# Allegro board RK3588S_Tablet_Demo_LP4XD200P232SD10H2_V11_20220218.brd (continued)
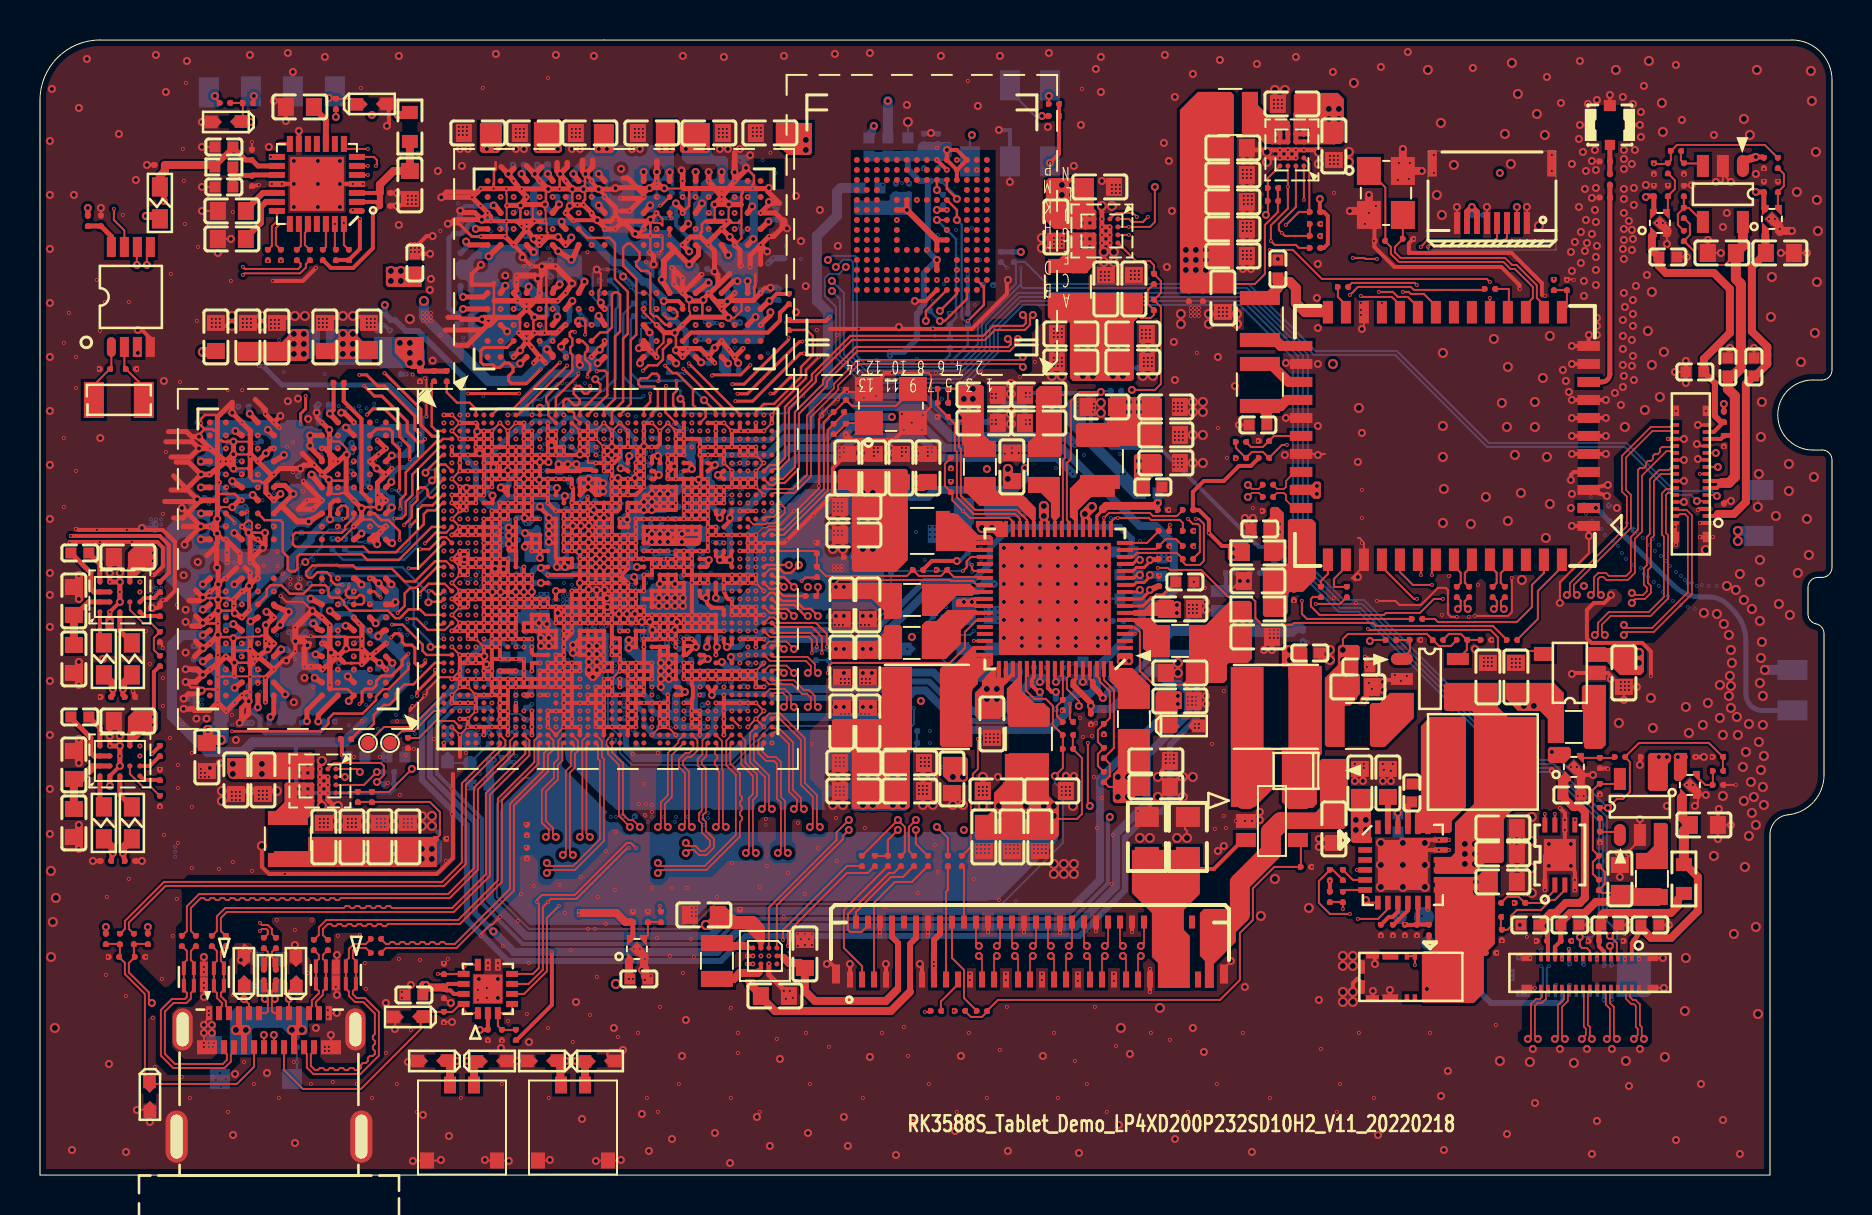
[diagram p0: board, top side]
## Routing (per net, layer and track width the routed paths; a pad name or vN(x,y) marks a point on that pad's centre or on a via; arc(x,y) is an arc through that point) (continued)
PCIE20_0_TXN: length 53.7
  TOP w0.107: v5(49.64,43) 49.49,42.85 49.49,42.5 49.24,42.25 47.74,42.25 47.24,41.75 40.6,41.75 38.79,39.94 38.79,39.67 37.45,38.32 37.45,35.77 36.98,35.3 36.69,35.3 U1000.H42 ; C6312.2 71.03,28.71 71.03,28.44 v5(70.89,28.3)
  S08 w0.076: v5(49.64,43) 49.49,43.15 49.49,43.5 49.69,43.7 49.89,43.7 49.99,43.6 50.14,43.6 50.24,43.7 50.39,43.7 50.49,43.6 50.64,43.6 50.74,43.7 50.89,43.7 50.99,43.6 51.14,43.6 51.24,43.7 51.39,43.7 51.49,43.6 51.64,43.6 51.74,43.7 51.89,43.7 51.99,43.6 52.14,43.6 52.24,43.7 52.39,43.7 52.49,43.6 52.64,43.6 52.74,43.7 60.29,43.7 60.59,43.4 60.59,35.27 65.51,30.35 70.59,30.35 71.04,29.9 71.04,28.45 v5(70.89,28.3)
PCIE20_0_TXP: length 54
  TOP w0.107: C6311.2 71.24,28.69 71.24,28.46 v5(71.39,28.3) ; U1000.H41 36.49,35.5 36.89,35.5 37.24,35.85 37.24,38.41 38.59,39.75 38.59,40.03 40.52,41.96 47.16,41.96 47.66,42.46 49.16,42.46 49.29,42.59 49.29,42.86 v5(49.14,43)
  S08 w0.076: v5(49.14,43) 49.29,43.15 49.29,43.59 49.61,43.9 60.38,43.9 60.79,43.49 60.79,35.35 65.59,30.55 70.68,30.55 71.24,29.99 71.24,28.45 v5(71.39,28.3)
PCIE20_CLKREQN_1V8: length 1.5
  TOP w0.1: U6300.37 64.39,30.05 64.04,29.7 R6331.2
PCIE20_PERSTN_1V8: length 1.9
  TOP w0.1: U6300.12 76.34,43.39 C6230.1 R6334.2
PCIE20_WAKEN_1V8: length 1.4
  TOP w0.1: R6333.2 64.89,43.9 65.29,43.5 U6300.24
PCIE20X1_2_CLKREQN_M0: length 65.4
  TOP w0.1: v1(70.14,28.8) 69.69,28.8 68.99,28.1 67.29,28.1 67.19,28 63.98,28 63.54,28.44 63.54,28.8 63.64,28.9 R6331.1
  S03 w0.075: v1(31.79,23.6) 31.24,23.05 31.24,22
  S03 w0.1: v1(70.14,28.8) 70.14,23.36 67.68,20.9 63.12,20.9 61.34,19.13 61.34,17.26 58.69,14.6 33.1,14.6 31.49,16.21 31.49,16.83 31.74,17.08 31.74,20.17 31.24,20.67 31.24,22
PCIE20X1_2_PERSTN_M0: length 75.5
  S03 w0.1: v1(75.69,44.8) 75.13,44.8 70.64,40.32 70.64,32.15 70.19,31.7 70.19,29.15 70.39,28.95 70.39,23.33 67.77,20.7 63.2,20.7 61.54,19.05 61.54,17.18 58.77,14.4 33.02,14.4 31.29,16.13 30.54,16.88 30.54,21.49 30.34,21.69 30.34,22.15 v1(30.59,22.4)
PCIE20X1_2_WAKEN_M0: length 70.6
  TOP w0.1: v1(68.84,44.5) 68.74,44.6 65.59,44.6 R6333.1
  S03 w0.1: v1(32.19,22.8) 32.44,22.55 32.44,22.14 32.27,21.96 32.27,21.23 34.89,18.6 34.89,17.88 35.87,16.9 37.29,16.9 38.59,15.6 46.19,15.6 47.34,16.75 53.88,16.75 54.58,16.05 57.88,16.05 59.84,18.02 59.84,19.05 62.7,21.9 67.27,21.9 69.09,23.73 69.09,28.95 68.79,29.25 68.79,34.5 69.09,34.8 69.09,44.25 v1(68.84,44.5)
PCIE_RDN: length 1.6
  TOP w0.107: C6312.1 71.04,29.6 71.04,30.11 70.69,30.45 U6300.44
PCIE_RDP: length 1.6
  TOP w0.107: C6311.1 71.25,29.6 71.24,29.6 71.24,30.1 71.59,30.45 U6300.45
PCIE_REFCLKN: length 2
  TOP w0.084: C6322.1 61.85,34.3 62.19,34.3 62.29,34.4 62.29,34.7 62.74,35.15 U6300.33
PCIE_REFCLKP: length 1.9
  TOP w0.084: C6321.1 61.84,34.1 62.2,34.1 62.29,34 62.29,33.75 62.69,33.35 U6300.35
PCIE_TDN: length 1.6
  TOP w0.107: C6241.1 72.83,29.6 72.83,30.11 72.49,30.45 U6300.46
PCIE_TDP: length 1.6
  TOP w0.107: C6240.1 73.04,29.61 73.04,30.1 73.39,30.45 U6300.47
PMIC_EXT_EN_OUT: length 27.7
  TOP w0.1: R2312.1 66.54,26.75 v5(66.49,26.7) ; U2200.39 46.69,30.2 46.59,30.3 v1(46.59,30.5)
  S03 w0.1: v1(46.59,30.5) 46.59,30.5 46.84,30.5 v2(46.89,30.45)
  S08 w0.1: v2(46.89,30.45) 47.24,30.1 47.24,29.4 47.84,28.8 47.84,27.61 48.05,27.4 53.79,27.4 56.64,24.55 58.79,24.55 59.49,23.85 65.36,23.85 66.49,24.99 v5(66.49,26.7)
PMIC_FB6: length 9.9
  TOP w0.1: U2200.31 48.99,32.8 48.74,33.05 46.68,33.05 45.84,33.89 45.84,36.15 45.74,36.25 45.74,37.55 R2227.1 44.89,38.4 R2218.2 C2216.2
PMIC_FB9: length 6
  TOP w0.1: C2229.2 52.89,20.45 52.89,21.05 R2236.2 52.89,21.65 52.89,22.25 R2241.1 53.49,22.85 53.49,24.17 52.99,24.67 52.99,24.79 52.84,24.94 U2200.66
PMIC_INT_L: length 23.6
  TOP w0.1: R2261.2 56.84,32.95 55.64,32.95 55.49,33.1 53.44,33.1 v1(53.19,32.85) U2200.19
  S03 w0.1: v1(53.19,32.85) 53.19,33.37 52.71,33.85 45.34,33.85 42.06,30.57 38.93,30.57 38.59,30.91 36.7,30.91 v1(36.59,30.8)
PMIC_PWR_CTRL2: length 2.9
  TOP w0.1: U2200.61 51.09,24.95 51.14,24.9 R2244.1 50.84,23.45 50.84,22.95 R2242.2
PMIC_PWR_CTRL3: length 3.3
  TOP w0.1: R2290.2 56.79,31.8 56.29,31.8 R2291.1 55.79,31.3 54.63,31.3 54.58,31.25 54.39,31.25 U2200.16
PMIC_RESET_L: length 12.1
  TOP w0.1: U2200.40 46.89,29.85 46.84,29.9 45.69,29.9 C2262.1 45.04,29.95 43.94,29.95 R2263.2 43.34,29.95 39.29,29.95 R1104.1 C1110.1 38.74,31.2 U1000.V42
PMIC_SPI_CLK: length 1.9
  TOP w0.1: U2200.17 55.34,31.6 R1115.2
PMIC_SPI_CS: length 25.7
  TOP w0.1: U2200.18 53.54,32.65 53.74,32.85 v1(53.89,32.85) 55.44,32.85 55.54,32.75 56.99,32.75 57.14,32.6 R2258.1
  S03 w0.075: 36.99,31.35 36.99,31.35 36.34,31.35 v1(35.79,30.8)
  S03 w0.1: v1(53.89,32.85) 53.89,33.35 52.44,34.8 51.69,34.8 51.29,34.4 45.33,34.4 41.85,30.92 39.36,30.92 38.93,31.35 36.99,31.35
PMIC_SPI_MOSI: length 32.2
  TOP w0.1: U2200.15 54.64,30.9 54.84,31.1 56.84,31.1 R1116.2 57.14,30.65 57.29,30.5 57.99,30.5 58.19,30.7 58.19,32.55 57.94,32.8 v1(57.79,32.8)
  S03 w0.1: v1(34.99,30.4) 35.42,29.98 42.12,29.98 45.6,33.45 47.76,33.45 48.86,32.35 54.12,32.35 54.47,32.7 55.89,32.7 56.34,32.25 56.64,32.25 56.94,32.55 57.54,32.55 v1(57.79,32.8)
PMIC_SW1: length 4.4
  TOP w0.1: U2200.51 47.59,26 47.59,25.5
  TOP w0.2: 45.54,25.2 46.34,26 ; 46.34,26 U2200.51 47.24,25.55 ; 46.34,26 46.69,26.35 U2200.50
PMIC_SW2: length 7.9
  TOP w0.1: 47.59,31.6 47.59,31.85 47.49,31.95 46.89,31.95 45.84,33 45.79,33 45.39,32.6 45.39,32.2 45.44,32.15 45.44,31.6 45.79,31.25 U2200.36
  TOP w0.2: 46.39,31.6 U2200.35 47.24,31.75 ; U2200.36 46.44,31.25
PMIC_SW3: length 6.9
  TOP w0.1: 48.39,24.3 48.99,24.9 48.99,24.25 49.63,23.61 49.63,23.61 49.94,23.3 49.94,23.1 49.09,23.1 48.85,22.86 48.39,23.32 48.39,24.3
  TOP w0.2: 48.99,24.25 U2200.55
PMIC_SW4: length 8.1
  TOP w0.1: 51.58,32.9 51.79,32.69 U2200.23 51.84,32.35 51.84,33.25 52.59,34 53.19,34 53.59,34.4 52.99,34.4 L2207.1 52.99,34.9 52.14,34.9 51.54,34.3 51.54,32.9 51.58,32.9
PMIC_SW5: length 4.6
  TOP w0.1: 44.49,26.25 44.84,26.6 44.84,27.65 45.39,28.2 46.79,28.2 46.89,28.1 ; 46.59,27.9 46.79,28.1
  TOP w0.2: 46.79,28.1 U2200.45
PMIC_SW6: length 9.3
  TOP w0.1: 48.94,33.45 49.69,32.7 ; 49.69,32.7 U2200.29 ; 49.69,32.7 49.69,33.35 48.94,34.1 47.84,34.1 47.44,34.5 L2202.2 46.68,34.82 46.34,34.48 46.34,34.15 46.99,33.5 48.83,33.5
PMIC_SW7: length 7.6
  TOP w0.1: 46.84,29.15 46.49,29.5 44.69,29.5 44.49,29.3 44.49,28 44.79,28 45.79,29 46.59,29 46.74,29.15
  TOP w0.2: U2200.42 46.24,29.15
PMIC_SW8: length 6.1
  TOP w0.1: 55.49,27.8 56.09,27.2 56.09,25.95 55.59,25.95 55.19,26.35 55.19,27.25 54.94,27.5 54.89,27.5 54.64,27.75 54.69,27.8 55.49,27.8
  TOP w0.2: U2200.6 54.64,27.75
PMIC_SW9: length 6
  TOP w0.1: 54.34,23.7 53.94,24.1 53.94,24.3 53.54,24.7 U2200.68 54.59,25.3 55.44,24.45 55.44,23.7 L2204.2 54.34,23.7
PMIC_SW10: length 5.2
  TOP w0.1: 50.74,32.75 50.59,32.9 50.59,33.62 49.95,34.26 L2208.2 50.94,34.5 50.94,32.95 50.74,32.75 ; 50.74,32.75 U2200.26
PMIC_VDC: length 74.4
  TOP w0.1: R2265.2 45.24,35.55 45.24,34.45 C2260.1 45.62,34.08 45.62,33.73 v1(46.14,33.2) 46.49,32.85 48.46,32.85 48.64,32.67 U2200.32
  S03 w0.1: v2(45.79,33.1) 46.09,33.2 v1(46.14,33.2)
  S06 w0.1: v2(24.04,13.95) 24.24,14.15 25.28,14.15 25.43,14 38.54,14 39.85,15.31 41.16,16.63 41.39,16.85 44.89,16.85 45.29,17.25 45.29,17.41 45.44,17.56 45.93,18.05 46.1,18.05 46.1,18.05 46.26,18.05 46.54,18.34 46.54,20.17 45.44,21.27 45.44,24.22 45.34,24.32 45.34,28.69 45.49,28.84 45.49,32.55 45.79,32.85 v2(45.79,33.1)
  S08 w0.1: v3(12.84,5.65) 14.14,4.35 26.99,4.35 27.69,5.05 27.69,9.68 27.49,9.88 27.49,10.15 24.04,13.6 v2(24.04,13.95)
  BOTTOM w0.1: D2600.2 12.84,5.05 v3(12.84,5.65) R2264.2
PWRON_L: length 68.6
  TOP w0.1: R9205.1 v5(14.79,52.9) ; U2200.4 v1(54.74,27.05)
  S03 w0.1: v2(54.74,27.45) v1(54.74,27.05)
  S06 w0.1: v2(54.74,27.45) 54.09,27.45 53.84,27.7 53.84,33.01 52.99,33.86 52.99,36.06 52.3,36.75 50.14,36.75 49.74,36.35 48.19,36.35 47.84,36 v2(47.84,35.25)
  S08 w0.1: v2(47.84,35.25) 47.99,35.4 47.99,47.54 45.63,49.9 40.38,49.9 39.84,50.44 39.84,52.76 38.25,54.35 16.97,54.35 15.52,52.9 v5(14.79,52.9) ; v3(54.44,27.75) v2(54.74,27.45)
  BOTTOM w0.1: C2261.1 54.19,27.75 v3(54.44,27.75)
RGB_INT_L: length 84.7
  S03 w0.1: v5(46.59,52) 46.74,51.85 54.14,51.85 56.29,49.7 63.79,49.7 64.39,49.1 64.39,48.19 66.49,46.09 66.49,44.1 66.64,43.95 66.64,42.15 67.24,41.55 67.24,25.87 64.87,23.5 62.04,23.5 58.24,19.71 58.24,18.68 57.92,18.36 57.12,18.36 56.54,18.94 56.54,19.1 56.14,19.5 39.48,19.5 39.23,19.75 36.16,19.75 34.34,21.57 34.34,22.65 v1(33.79,23.2)
  BOTTOM w0.1: J7009.1 46.49,51.9 v5(46.59,52)
ROUT2: length 43.8
  TOP w0.2: v1(11.99,51.55) U7000.14 ; C7029.1 v1(5.59,21.05)
  S03 w0.2: v1(5.59,21.05) 5.59,20.65 4.99,20.05 1.93,20.05 0.89,21.09 0.89,41.9 3.74,44.75 5.64,44.75 10.64,49.75 10.64,51.19 11.26,51.8 11.74,51.8 v1(11.99,51.55)
RTC_32K_IN: length 29
  S03 w0.075: v1(34.99,28.8) 35.38,28.41 41.61,28.41 41.64,28.45
  S03 w0.1: 41.64,28.45 44.44,31.25 46.49,31.25 46.99,31.75 56.71,31.75 57.11,32.15 57.78,32.15 58.29,32.67 58.29,34.3 v1(59.79,35.8)
RTC_INT_L: length 103.3
  TOP w0.1: U2102.3 4.89,41.4 v5(4.89,41.1)
  S03 w0.075: v1(34.59,29.2) 34.59,28.87 35.46,28 36.1,28 36.48,27.62 41.76,27.62 41.79,27.65
  S03 w0.1: v2(46.89,29.95) 46.74,29.8 43.94,29.8 41.79,27.65
  S06 w0.1: v2(46.89,29.95) 45.69,28.75 45.54,28.6 45.54,24.4 45.64,24.3 45.64,24.14 45.64,21.35 46.74,20.25 46.74,18.25 46.34,17.85 46.02,17.85 45.97,17.8 45.49,17.33 45.49,17.17 44.98,16.65 41.47,16.65 41.3,16.49 38.62,13.8 25.35,13.8 25.25,13.9 24.59,13.9 24.29,13.6 23.86,13.6 23.31,14.15 19.33,14.15 18.68,14.8 18.09,15.39 18.09,18.12 17.11,19.1 14.13,19.1 13.13,18.1 3.24,18.1 1.39,19.95 1.24,20.1 1.24,37.45 v5(4.89,41.1)
  S08 w0.1: v2(46.89,29.95) v3(46.59,30.15)
  BOTTOM w0.1: v3(46.59,30.15) 46.59,30.4 R2113.2
RTCIC_32KOUT: length 82.9
  TOP w0.1: v1(62.34,36.5) 62.09,36.5 R2112.1 61.14,36.15 60.59,36.15 R2116.1 59.79,36.35 R2114.1 ; U2102.7 4.22,47.23 3.69,47.75 v1(3.69,48.3)
  S03 w0.1: v1(3.69,48.3) 3.69,49.9 8.39,54.6 42.99,54.6 46.24,51.35 52.64,51.35 54.49,49.5 54.5,49.5 55,49 60.74,49 60.94,49.2 61.37,49.2 62.89,47.68 62.89,37.05 v1(62.34,36.5)
SARADC_VIN0_BOOT: length 5
  S03 w0.1: v1(25.79,22.8) v2(24.99,22.8)
  S08 w0.1: v2(24.99,22.8) 24.6,22.8 v3(24.6,22.8)
  BOTTOM w0.1: v3(24.6,22.8) 24.55,22.75 C1500.1 23.99,23.05 23.44,23.05 23.34,22.95 23.34,22.55 R1502.1 R1513.1 22.94,21 R1501.2
SARADC_VIN1_KEY/RECOVERY: length 67.2
  TOP w0.1: R9200.1 R9201.2 10.14,52.89 D9200.1 9.95,52.65 v5(10.54,52.65)
  S03 w0.1: v1(24.99,22.4) v2(24.99,22.1)
  S06 w0.1: v2(24.99,22.1) 24.19,21.3 19.09,21.3 18.29,20.5 15.85,20.5 15.64,20.3 15.64,19.81 15.14,19.3 14.04,19.3 13.04,18.3 3.33,18.3 1.59,20.04 1.59,37.3 5.24,40.95 5.24,44.89 5.69,45.34 5.69,49.5 8.85,52.65 v5(10.54,52.65)
  S08 w0.1: v2(24.99,22.1) v3(24.59,22.1)
  BOTTOM w0.1: v3(24.59,22.1) 24.55,22.14 C1501.1 R1500.1
SARADC_VIN2_LCD_ID: length 35.2
  TOP w0.1: 24.34,16.38 24.32,16.4 v1(24.29,16.4) ; R5513.1 44.49,8.15 v1(44.24,8.15)
  S03 w0.1: v1(44.24,8.15) 44.23,8.2 28.59,8.2 27.29,9.5 27.29,13.57 26.46,14.4 24.29,14.4 23.84,14.85 23.84,15.75 24.29,16.2 v1(24.29,16.4) 24.04,16.65 24.04,17.7 24.79,18.45 24.79,21.76 24.64,21.91 24.64,22.75 24.44,22.96 v1(24.19,23.2)
SARADC_VIN4_BATT_TC_L: length 61.4
  TOP w0.1: 68.34,10.95 68.74,10.95 v1(68.74,10.5)
  S03 w0.1: v1(25.79,22.4) 24.99,21.6 24.99,18.25 v1(24.29,17.55) 24.29,16.85 24.54,16.6 24.54,16.15 24.04,15.65 24.04,14.94 24.38,14.6 26.54,14.6 27.49,13.65 27.49,9.64 28.73,8.4 44.36,8.4 44.81,7.95 57.37,7.95 61.37,11.95 67.29,11.95 v1(68.74,10.5)
SLEEP1_RESET1_DEVOFF1_VSEL1: length 32.3
  TOP w0.1: v5(51.94,23.45) 51.94,23.7 51.34,24.3 51.34,24.85 51.44,24.95 U2200.62
  S03 w0.1: v2(52.29,34.45) 52.04,34.2 45.41,34.2 41.96,30.75 39.14,30.75 38.8,31.09 36.48,31.09 v1(36.19,30.8)
  S06 w0.1: v5(51.94,23.45) 53.64,25.15 53.64,32.92 52.74,33.82 52.74,34 v2(52.29,34.45)
SPI2_CLK_M2: length 23.7
  TOP w0.1: v1(56.49,32.5) 56.44,32.45 R1115.1
  S03 w0.075: 35.74,30.15 35.64,30.15 v1(35.39,30.4)
  S03 w0.1: v1(56.49,32.5) 56.09,32.9 54.39,32.9 54.04,32.55 48.94,32.55 47.84,33.65 45.5,33.65 42,30.15 35.74,30.15
SPI2_MOSI_M2: length 27.8
  TOP w0.1: v1(57.39,32.8) 57.64,32.55 57.89,32.55 57.99,32.45 57.99,31.15 R1116.1
  S03 w0.075: v1(35.39,30.8) 35.64,31.05 35.78,31.05 35.83,31.1 35.83,31.1 35.88,31.15 35.88,31.15 36.04,31.31 36.08,31.31 36.27,31.5 36.37,31.5 36.45,31.5 36.45,31.5 36.69,31.5 36.74,31.55
  S03 w0.1: v1(57.39,32.8) 55.84,34.35 54.74,34.35 53.39,35.7 45.89,35.7 42.04,31.85 38.29,31.85 37.99,31.55 36.74,31.55
TP_INT_L: length 29.8
  TOP w0.1: v5(43.79,17.75) 43.44,17.4 43.44,16.2 R5517.1
  S03 w0.1: v2(38.69,38) 38.24,37.55 37.44,37.55 36.84,36.95 35.94,36.95 v1(35.79,36.8)
  S06 w0.1: v5(43.79,17.75) 43.79,18.15 43.74,18.2 43.74,20.32 44.84,21.42 44.84,23.97 44.74,24.07 44.74,24.5 43.39,25.85 43.39,26.58 43.24,26.73 43.24,30.23 42.44,31.03 42.44,33.05 41.94,33.55 41.06,33.55 40.66,33.95 39.99,33.95 39.49,34.45 39.49,35.55 38.79,36.25 38.79,37.05 39.04,37.3 39.04,37.65 v2(38.69,38)
TP_RST_L: length 28.4
  TOP w0.1: R5518.1 43.79,16.55 v5(43.79,17.25)
  S03 w0.075: 37.14,34.15 36.99,34 36.66,34 36.01,33.35 35.64,33.35 v1(35.39,33.6)
  S03 w0.1: 37.14,34.15 37.74,34.75 39.49,34.75 v2(39.84,35.1)
  S06 w0.1: v2(39.84,35.1) 40.44,34.5 42.11,34.5 42.64,33.97 42.64,31.12 43.44,30.32 43.44,29.99 44.94,28.49 44.94,24.15 45.04,24.05 45.04,18.34 44.51,17.8 44.34,17.8 v5(43.79,17.25)
TSADC_SHUT: length 3.8
  TOP w0.1: R1104.2 38.82,29.88 38.27,29.88 v1(38.09,29.7)
  S03 w0.1: v1(38.09,29.7) 38.04,29.75 35.94,29.75 v1(35.39,29.2)
TYPEC0_DP0_REXT: length 1.4
  S03 w0.1: v1(24.19,22.8) 23.99,23 23.4,23 v2(23.4,23)
  S08 w0.1: v3(22.99,22.75) 23.24,23 23.39,23 v2(23.4,23)
TYPEC0_OTG0DM: length 7.9
  TOP w0.097: J2600.B7 11.2,7 v5(11.19,7) ; R2605.2 11.79,9.38 L2600.4 11.59,9.2 11.59,8.95 v5(11.74,8.8) 11.59,8.65 11.59,8.2 11.71,8.09 J2600.A7
  S08 w0.064: v5(11.19,7) 11.34,7.15 11.34,7.5 10.59,8.25 10.59,9.15 10.94,9.5 11.34,9.5 11.59,9.25 11.59,8.95 v5(11.74,8.8)
  BOTTOM w0.1: v5(11.74,8.8) 11.74,9.14 D2605.1
TYPEC0_OTG0DP: length 7.3
  TOP w0.097: R2607.2 11.22,9.73 L2600.2 11.39,9.2 11.39,8.95 v5(11.24,8.8) 11.39,8.65 11.39,8.19 11.29,8.09 J2600.A6 ; v5(11.69,7) 11.7,7 11.7,6.39 J2600.B6
  S08 w0.064: v5(11.69,7) 11.54,7.15 11.54,7.59 10.79,8.34 10.79,9.07 11.03,9.3 11.26,9.3 11.39,9.17 11.39,8.95 v5(11.24,8.8)
  BOTTOM w0.1: D2606.1 11.24,9.1 v5(11.24,8.8)
TYPEC0_OTG_DM: length 22.1
  TOP w0.097: v1(10.99,12.6) 11.09,12.5 11.39,12.5 11.59,12.3 11.59,12.05 R2616.1
  S03 w0.064: v1(10.99,12.6) 11.09,12.5 11.26,12.5 11.34,12.59 11.34,13.99 12.16,14.8 21.26,14.8 22.84,16.39 22.84,19.15 23.89,20.2 23.89,22.3 v1(23.79,22.4)
TYPEC0_OTG_DP: length 22.4
  TOP w0.097: v1(10.99,12.2) 11.09,12.3 11.31,12.3 11.39,12.22 11.39,12.05 R2617.1
  S03 w0.064: v1(10.99,12.2) 11.09,12.3 11.34,12.3 11.54,12.5 11.54,13.9 11.67,14.03 11.89,14.03 12.01,14.16 12.01,14.37 12.24,14.6 12.42,14.6 12.58,14.45 12.76,14.45 12.91,14.6 13.09,14.6 13.24,14.45 13.42,14.45 13.57,14.6 21.34,14.6 23.04,16.31 23.04,19.07 24.09,20.12 24.09,22.3 v1(24.19,22.4)
TYPEC0_OTG_VBUSDET: length 1.3
  TOP w0.2: v1(23.79,23.6) U1000.AV10
  S03 w0.2: v2(23.4,23.5) 23.4,23.5 23.49,23.6 v1(23.79,23.6)
  S08 w0.1: v2(23.4,23.5) 23.39,23.5 23.09,23.5 v3(22.99,23.4)
TYPEC0_SBU1: length 26.1
  TOP w0.1: U1000.BA8 23.27,21.73 23.27,21.48 23.19,21.4 21.29,19.5 21.29,15.55 20.19,14.45 6.28,14.45 4.45,12.62 4.45,12.3 C2600.1
TYPEC0_SBU1_DC: length 50
  TOP w0.1: R2600.1 v5(5.39,12.4)
  S03 w0.1: v2(28.04,10.6) 28.04,12.61 28.34,12.91 28.34,20.77 27.99,21.12 27.99,21.15 26.74,22.4 26.74,23.35 26.89,23.5 27.09,23.5 v1(27.39,23.2)
  S08 w0.1: v2(28.04,10.6) 27.69,10.25 27.69,9.96 27.89,9.76 27.89,4.97 27.08,4.15 8.79,4.15 4.99,7.95 4.99,12 v5(5.39,12.4)
TYPEC0_SBU2: length 25.6
  TOP w0.1: U1000.BB8 22.99,21.49 21.09,19.59 21.09,15.64 20.11,14.65 6.19,14.65 4.25,12.7 4.25,12.3 C2601.1
TYPEC0_SBU2_DC: length 49.6
  TOP w0.1: R2604.1 v5(3.29,12.4)
  S03 w0.1: v1(26.99,22.8) 26.99,22.4 28.54,20.85 28.54,12.7 28.39,12.55 28.39,10.45 v2(28.04,10.1)
  S08 w0.1: v5(3.29,12.4) 4.79,10.9 4.79,7.86 8.7,3.95 27.16,3.95 28.09,4.89 28.09,10.05 v2(28.04,10.1)
TYPEC0_SSRX1N: length 24.3
  TOP w0.097: R2608.1 7.34,12.2 7.34,13.44 7.96,14.05 20.41,14.05 21.69,15.34 21.69,19.36 23.49,21.16 23.49,21.7 U1000.BA10
TYPEC0_SSRX1P: length 24.9
  TOP w0.097: R2609.1 7.54,12.2 7.54,13.35 8.04,13.85 8.19,13.85 8.29,13.75 8.44,13.75 8.54,13.85 8.69,13.85 8.79,13.75 8.94,13.75 9.04,13.85 9.19,13.85 9.29,13.75 9.44,13.75 9.54,13.85 9.69,13.85 9.79,13.75 9.94,13.75 10.04,13.85 10.19,13.85 10.29,13.75 10.44,13.75 10.54,13.85 10.69,13.85 10.79,13.75 10.94,13.75 11.04,13.85 11.19,13.85 11.29,13.75 11.44,13.75 11.54,13.85 11.69,13.85 11.79,13.75 11.94,13.75 12.04,13.85 12.19,13.85 12.29,13.75 12.44,13.75 12.54,13.85 12.69,13.85 12.79,13.75 12.94,13.75 13.04,13.85 13.19,13.85 13.29,13.75 13.44,13.75 13.54,13.85 13.69,13.85 13.79,13.75 13.94,13.75 14.04,13.85 14.19,13.85 14.29,13.75 14.44,13.75 14.54,13.85 14.69,13.85 14.79,13.75 14.94,13.75 15.04,13.85 20.49,13.85 21.89,15.25 21.89,19.28 23.69,21.08 23.69,21.5 U1000.BB10
TYPEC0_SSRX2N: length 18.8
  TOP w0.097: R2610.1 13.94,12 13.94,12.39 14.31,12.75 20.91,12.75 22.89,14.74 22.89,18.82 24.72,20.64 24.72,21.73 U1000.BA13
TYPEC0_SSRX2P: length 18.8
  TOP w0.097: U1000.BB13 24.92,21.53 24.92,20.56 23.09,18.74 23.09,14.65 20.99,12.55 17.39,12.55 17.29,12.45 17.14,12.45 17.04,12.55 16.89,12.55 16.79,12.45 16.64,12.45 16.54,12.55 16.39,12.55 16.29,12.45 16.14,12.45 16.04,12.55 15.89,12.55 15.79,12.45 15.64,12.45 15.54,12.55 15.39,12.55 15.29,12.45 15.14,12.45 15.04,12.55 14.89,12.55 14.79,12.45 14.64,12.45 14.54,12.55 14.39,12.55 14.14,12.3 14.14,12 R2611.1
TYPEC0_SSTX1N: length 23.3
  TOP w0.097: U1000.BA11 24.47,21.73 24.47,20.98 22.49,19.01 22.49,14.95 20.69,13.15 9.34,13.15 9.04,12.85 9.04,12.2 C2603.1
TYPEC0_SSTX1P: length 23.2
  TOP w0.097: C2604.1 8.84,12.2 8.84,12.94 9.26,13.35 15.19,13.35 15.29,13.45 15.44,13.45 15.54,13.35 15.69,13.35 15.79,13.45 15.94,13.45 16.04,13.35 16.24,13.35 16.34,13.45 16.49,13.45 16.59,13.35 16.74,13.35 16.84,13.45 16.99,13.45 17.09,13.35 17.24,13.35 17.34,13.45 17.49,13.45 17.59,13.35 20.61,13.35 22.29,15.04 22.29,19.09 24.27,21.07 24.27,21.53 U1000.BB11
TYPEC0_SSTX2N: length 16.7
  TOP w0.097: U1000.BA14 25.67,21.73 25.67,21.28 25.39,21 25.39,20.17 23.69,18.47 23.69,14.22 20.83,11.35 17.29,11.35 C2605.1
TYPEC0_SSTX2P: length 16.3
  TOP w0.097: C2606.1 17.29,11.55 17.44,11.55 17.54,11.65 17.69,11.65 17.79,11.55 17.94,11.55 18.04,11.65 18.19,11.65 18.29,11.55 18.44,11.55 18.54,11.65 18.69,11.65 18.79,11.55 18.94,11.55 19.04,11.65 19.19,11.65 19.29,11.55 19.44,11.55 19.54,11.65 19.69,11.65 19.79,11.55 19.94,11.55 20.04,11.65 20.19,11.65 20.29,11.55 20.74,11.55 23.49,14.3 23.49,18.55 25.19,20.25 25.19,21.09 25.44,21.34 25.44,21.55 U1000.BB14
TYPEC_CC1: length 14.6
  TOP w0.1: v1(19.89,10.05) C2612.1 U2600.11 21.18,10.34 21.35,10.51 U2600.10 ; J2600.A5 10.45,8.55 v5(10.19,8.8) 10.19,9.55 D2603.1
  S03 w0.1: v5(10.19,8.8) 10.54,9.15 12.99,9.15 13.34,8.8 14.39,8.8 14.54,8.65 16.69,8.65 18.04,10 19.84,10 v1(19.89,10.05)
TYPEC_CC2: length 13.7
  TOP w0.1: J2600.B5 12.2,6.39 12.2,5.25 13.14,4.3 16.04,4.3 19.03,7.29 D2604.1 19.26,8.15 C2613.1 20.62,8.15 21.02,8.55 U2600.14 21.18,8.25 21.34,8.09 U2600.1
TYPEC_SBU1: length 17.3
  TOP w0.1: D2602.1 12.44,9.2 v5(12.44,8.8) 12.45,8.8 J2600.A8 ; v5(5.59,8.6) 5.44,8.75 5.44,9.13 4.44,10.13 4.44,10.6 R2602.1 4.69,10.95 C2600.2 R2600.2
  S03 w0.1: v5(12.44,8.8) 12.09,8.45 12.09,6.8 10.89,5.6 6.84,5.6 5.59,6.85 v5(5.59,8.6)
TYPEC_SBU2: length 14.9
  TOP w0.1: J2600.B8 10.7,6.39 10.7,5.41 9.84,4.55 5.49,4.55 D2601.1 5.24,4.77 5.24,9.04 4.24,10.04 4.24,10.6 R2603.1 3.99,10.95 C2601.2 R2604.2
TYPEC_SSRX1N: length 11.3
  TOP w0.097: R2608.2 7.34,11.2 7.34,10.75 7.19,10.6 U2602.5 U2602.6 7.19,9.25 7.34,9.1 7.34,8.9 7.24,8.8 6.59,8.8 6.04,8.25 6.04,5.97 6.66,5.35 9.23,5.35 9.54,5.67 9.54,6.03 9.7,6.19 J2600.B10
TYPEC_SSRX1P: length 10.6
  TOP w0.097: J2600.B11 9.2,6.19 9.34,6.05 9.34,5.75 9.14,5.55 6.74,5.55 6.24,6.05 6.24,8.17 6.68,8.6 7.33,8.6 7.54,8.82 7.54,9.1 7.69,9.25 U2602.7 U2602.4 7.69,10.6 7.54,10.75 7.54,11.2 R2609.2
TYPEC_SSRX2N: length 3.6
  TOP w0.097: J2600.A10 13.45,8.09 13.45,8.3 13.59,8.45 13.59,8.74 13.94,9.09 13.94,9.2 13.79,9.35 U2603.6 U2603.5 13.79,10.65 13.94,10.8 13.94,11 R2610.2
TYPEC_SSRX2P: length 3.6
  TOP w0.097: J2600.A11 13.95,8.3 13.79,8.46 13.79,8.65 14.14,9 14.14,9.2 14.29,9.35 U2603.7 U2603.4 14.29,10.65 14.14,10.8 14.14,11 R2611.2
TYPEC_SSTX1N: length 3.8
  TOP w0.097: C2603.2 9.04,11.2 9.04,10.7 9.19,10.55 U2602.1 U2602.10 9.19,9.25 9.04,9.1 9.04,8.94 9.29,8.69 9.29,8.45 9.45,8.3 J2600.A3
TYPEC_SSTX1P: length 3.8
  TOP w0.097: J2600.A2 8.95,8.3 9.09,8.45 9.09,8.6 8.84,8.85 8.84,9.1 8.69,9.25 U2602.9 U2602.2 8.69,10.55 8.84,10.7 8.84,11.2 C2604.2
TYPEC_SSTX2N: length 12.4
  TOP w0.097: C2605.2 16.29,11.35 15.78,11.35 15.64,11.22 15.64,10.85 15.79,10.7 U2603.1 U2603.10 15.79,9.35 15.64,9.2 15.64,9.04 15.83,8.85 16.24,8.85 16.94,8.15 16.94,5.97 16.03,5.05 13.66,5.05 13.34,5.37 13.34,6.05 13.2,6.19 J2600.B3
TYPEC_SSTX2P: length 12.8
  TOP w0.097: C2606.2 16.29,11.55 15.69,11.55 15.44,11.3 15.44,10.85 15.29,10.7 U2603.2 U2603.9 15.29,9.33 15.44,9.18 15.44,8.95 15.74,8.65 16.16,8.65 16.74,8.07 16.74,7.05 16.64,6.95 16.64,6.8 16.74,6.7 16.74,6.55 16.64,6.45 16.64,6.3 16.74,6.2 16.74,6.05 16.64,5.95 16.49,5.95 16.39,5.85 16.39,5.7 16.29,5.6 16.14,5.6 16.04,5.5 16.04,5.35 15.94,5.25 15.74,5.25 15.64,5.35 15.49,5.35 15.39,5.25 15.24,5.25 15.14,5.35 14.99,5.35 14.89,5.25 14.74,5.25 14.64,5.35 14.49,5.35 14.39,5.25 14.24,5.25 14.14,5.35 13.99,5.35 13.89,5.25 13.74,5.25 13.54,5.45 13.54,6.03 13.7,6.19 J2600.B2
UART2_RX_M0/JTAG_TMS_M2: length 11.6
  S03 w0.075: v1(35.79,27.2) 36.04,27.2 36.24,27 42.34,27 42.44,27.1
  S03 w0.1: v2(45.89,27.2) 45.64,27.45 42.79,27.45 42.44,27.1
  S08 w0.1: v3(45.59,27.3) 45.69,27.2 v2(45.89,27.2)
  BOTTOM w0.1: v3(45.59,27.3) 45.59,27.4 45.14,27.85 R9301.1
UART2_TX_M0/JTAG_TCK_M2: length 13.7
  S03 w0.075: 42.29,27.25 42.2,27.15 36.3,27.15 36.1,27.35 36.1,27.35 36,27.45 35.64,27.45 v1(35.39,27.2)
  S03 w0.1: 42.29,27.25 42.69,27.65 45.94,27.65 v2(46.39,27.2)
  S08 w0.1: v3(46.69,27.2) v2(46.39,27.2)
  BOTTOM w0.1: v3(46.69,27.2) 46.49,27 45.44,27 R9300.1
UART9_CTSN_M2_BT: length 54.2
  TOP w0.1: v1(69.04,30) 69.04,30.77 U6300.42
  S03 w0.1: v1(69.04,30) 69.04,29.29 69.29,29.04 69.29,23.64 67.35,21.7 62.78,21.7 60.04,18.96 60.04,17.94 57.96,15.85 54.5,15.85 53.8,16.55 47.43,16.55 46.28,15.4 35.5,15.4 34.69,16.21 34.69,18.5 32.09,21.11 32.09,22.3 v1(32.19,22.4)
UART9_RTSN_M2_BT: length 55.4
  TOP w0.1: U6300.43 69.79,30.55 69.59,30.35 v1(69.59,30)
  S03 w0.1: v1(69.59,30) 69.34,29.75 69.34,29.27 69.49,29.12 69.49,23.56 67.44,21.5 62.87,21.5 60.24,18.88 60.24,17.01 58.89,15.65 54.42,15.65 53.71,16.35 47.53,16.35 46.38,15.2 35.42,15.2 33.44,17.18 33.44,19.45 31.84,21.05 31.84,22.35 v1(31.79,22.4)
UART9_RX_M2_BT: length 53.5
  TOP w0.1: U6300.40 67.09,30.4 68.69,28.8 v1(68.84,28.8)
  S03 w0.1: v1(68.84,28.8) 68.84,23.76 67.19,22.1 62.62,22.1 59.64,19.13 59.64,18.1 57.79,16.25 54.66,16.25 53.96,16.95 47.26,16.95 46.11,15.8 38.67,15.8 37.37,17.1 35.95,17.1 35.09,17.96 35.09,18.69 32.44,21.34 32.44,21.85 32.62,22.03 32.62,22.78 v1(32.19,23.2)
UART9_TX_M2_BT: length 57.6
  TOP w0.1: v1(69.59,29.5) 68.64,29.5 67.99,30.15 U6300.41
  S03 w0.075: 31.64,21.75 31.64,22.22 31.56,22.3 31.56,22.57 v1(31.79,22.8)
  S03 w0.1: 31.64,21.75 31.64,20.9 33.24,19.3 33.24,17.09 35.33,15 46.46,15 47.61,16.15 53.63,16.15 54.33,15.45 58.97,15.45 60.44,16.93 60.44,18.8 62.95,21.3 67.52,21.3 69.69,23.48 69.69,29.2 69.59,29.3 v1(69.59,29.5)
UART_RX: length 3.5
  BOTTOM w0.1: R9301.2 44.35,27.61 44.35,26.95 44.63,26.67 ED9300.1 45.76,25.15 TP9111.1
UART_TX: length 3.5
  BOTTOM w0.1: R9300.2 45.62,26.32 ED9301.1 46.26,25.94 TP9110.1
USB_AVDD_1V8: length 12.1
  TOP w0.2: v1(25.39,24) v1(24.99,24)
  S03 w0.2: v1(25.39,24) v2(25.19,23.78) v1(24.99,24)
  S06 w0.4: v2(25.19,23.78) 25.17,23.8 24.6,23.8 24.2,23.4 24.2,22.61 23.79,22.2 21.89,22.2 21.34,21.65 18.95,21.65 18.2,20.9 v2(17.59,20.9)
  S08 w0.2: v2(25.19,23.78) 24.83,23.78 v3(24.6,23.55) ; v3(17.29,20.75) 17.44,20.75 v2(17.59,20.9) 17.44,21.05 v3(17.29,21.05)
  BOTTOM w0.2: v3(24.6,23.55) 24.41,23.36 C1406.1
VSEL2: length 40.1
  TOP w0.1: v1(55.39,47.9) 55.14,47.65 54.59,47.65 54.44,47.8 U2300.A1
  S03 w0.075: v1(35.39,28.8) 35.63,28.57 41.41,28.57 41.54,28.7
  S03 w0.1: v1(55.39,47.9) v2(55.69,47.9) ; 41.54,28.7 42.04,29.2 42.04,29.61 45.19,32.75 48.18,32.75 48.78,32.15 54.79,32.15 v2(54.99,32.35)
  S06 w0.1: v2(54.99,32.35) 54.99,33.2 56.04,34.25 56.04,43.2 55.64,43.6 55.64,47.85 v2(55.69,47.9)
VSEL3: length 51.3
  TOP w0.1: v5(15.99,20.15) 15.84,20.3 U2302.A1
  S03 w0.1: v5(44.04,23.7) 43.19,22.85 38.99,22.85 38.34,22.2 37.79,22.2 37.39,22.6 37.19,22.6 36.64,23.15 36.64,23.55 34.99,25.2 v1(34.99,25.6)
  S06 w0.1: v5(15.99,20.15) 15.99,19.86 16.55,19.3 17.19,19.3 18.29,18.2 18.29,15.47 18.76,15 19.41,14.35 25.36,14.35 25.51,14.2 38.45,14.2 41.02,16.76 41.19,16.94 42.04,17.79 42.04,20.55 44.04,22.55 v5(44.04,23.7)
